# KiCad board 32X_VA2.kicad_pcb (continued)
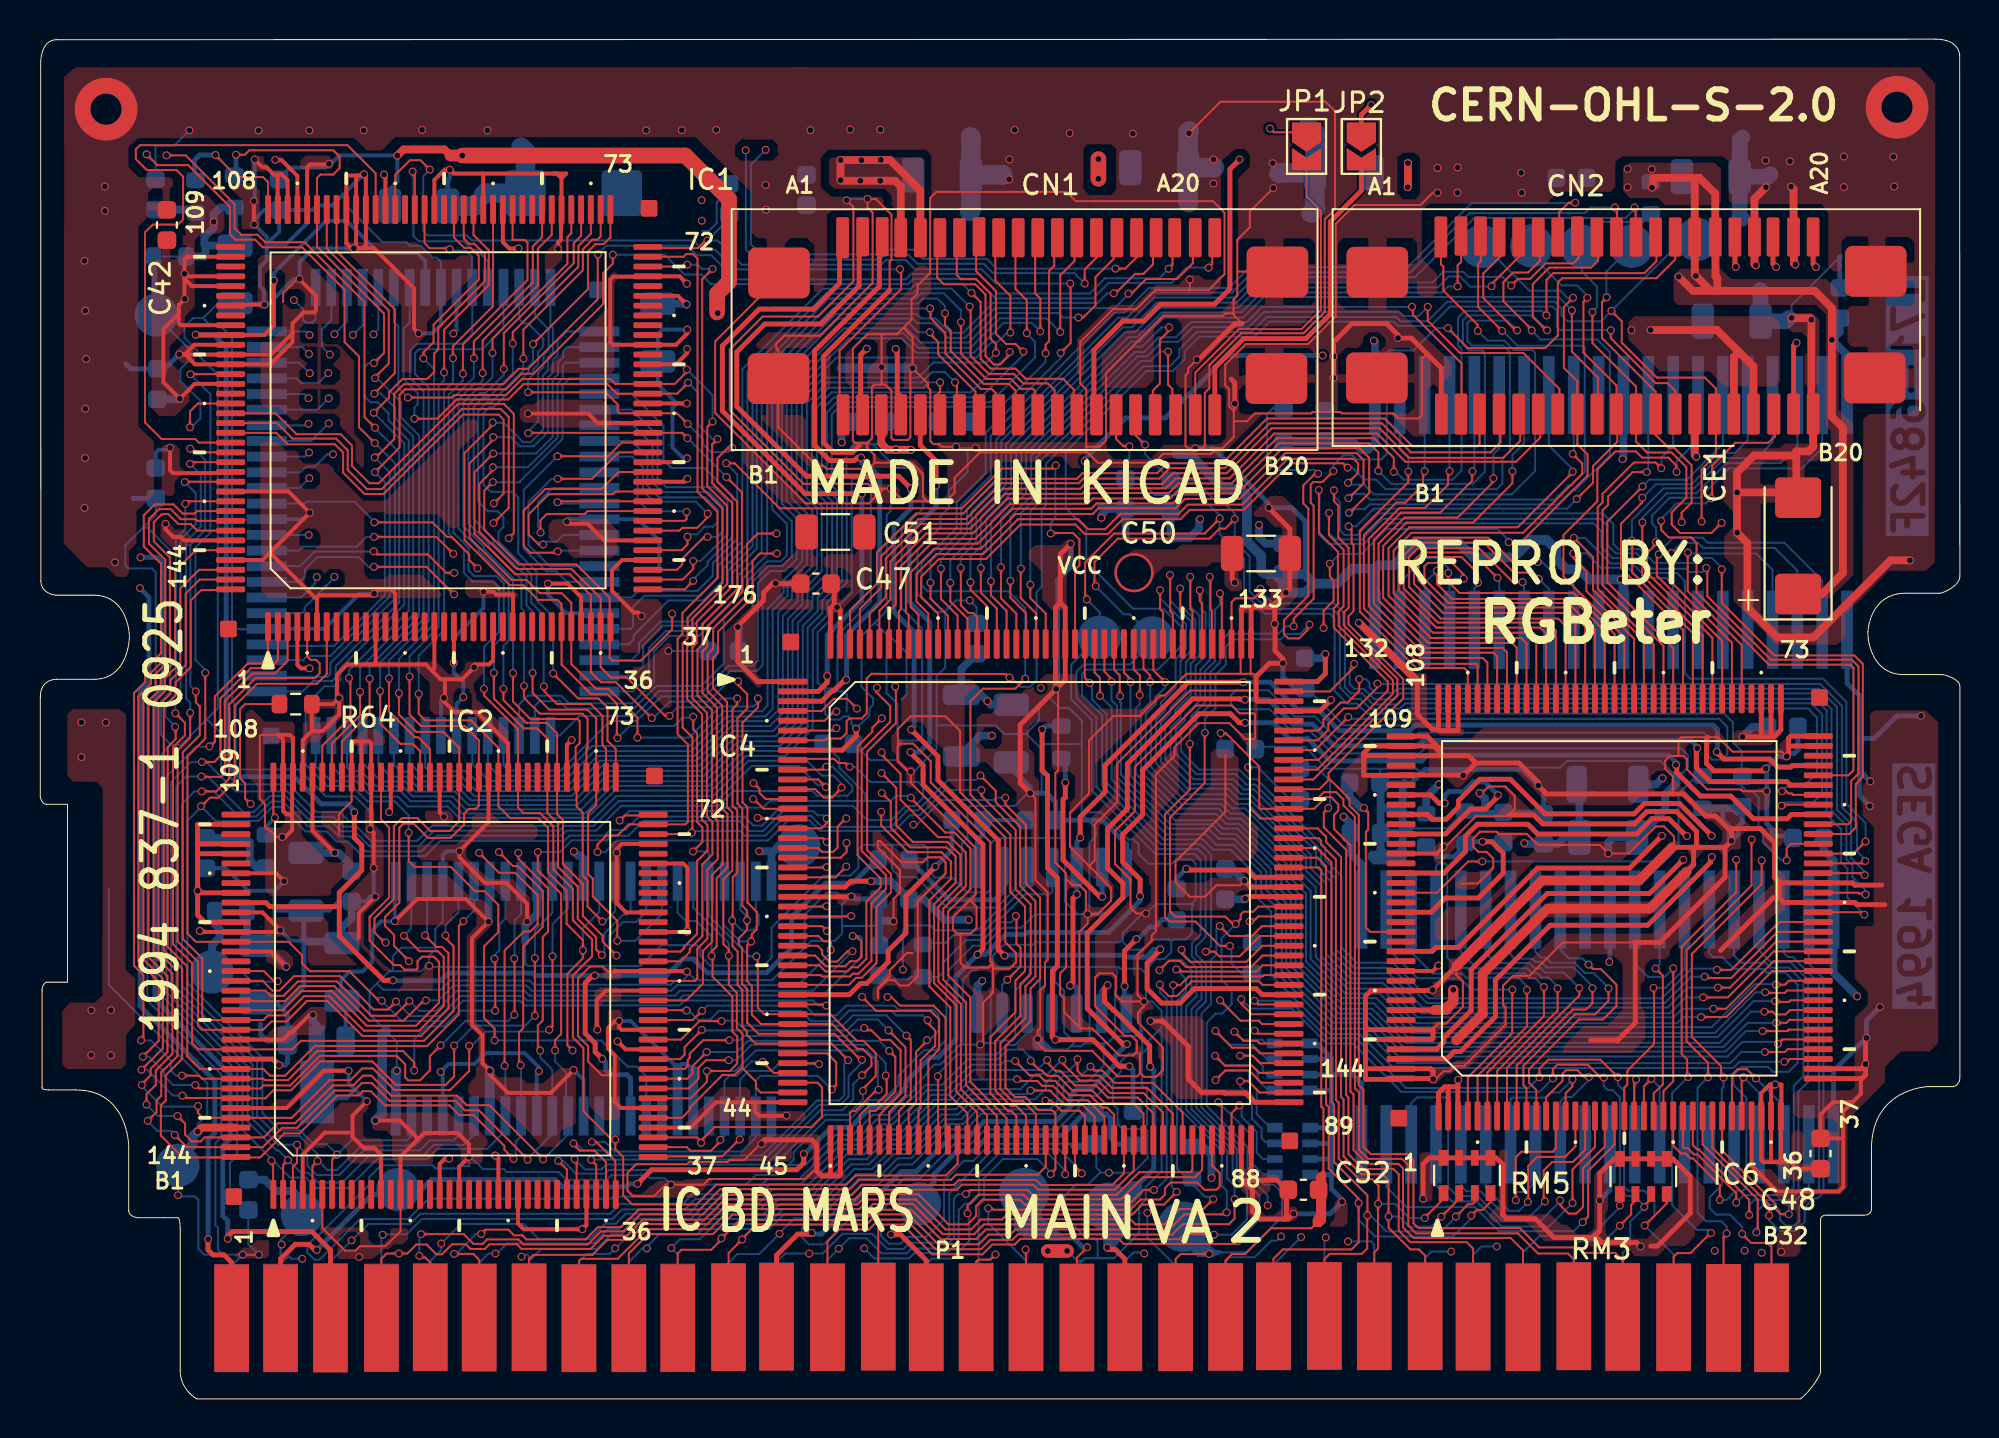
[diagram p0: board, top side]
## Routing (per net, layer and track width the routed paths; a pad name or vN(x,y) marks a point on that pad's centre or on a via; arc(x,y) is an arc through that point) (continued)
  Top w0.25: 40.51,11.4 39.99,11.4 39.74,11.65 39.74,12.99 39.49,13.24 37.07,13.24 36.92,13.09 v1(36.92,13.03) ; 40.51,11.4 40.45,11.47 IC4.45 ; 40.51,11.4 40.88,11.4 40.95,11.47 40.95,13.23 IC4.46 ; IC6.71 89.43,33.37 89.41,33.35 ; 71.61,33.03 71.27,33.37 IC6.110 68.06,33.37 67.7,33.01 67.7,32.86 ; 71.61,33.03 71.61,33.21 70.95,33.87 IC6.109 ; 71.61,33.03 71.77,32.87 ; 67.79,18.89 67.81,18.87 IC6.139 69.62,18.86 71.24,18.86 71.24,18.43 71.18,18.37 IC6.140 67.79,18.37 67.79,18.37 ; 67.79,18.89 67.79,20.59 68.07,20.87 IC6.135 71.19,20.87 v1(71.22,20.9) 72.43,22.11 ; 67.79,18.89 67.79,18.37 ; 61.53,11.18 61.45,11.27 IC4.87 ; 61.53,11.18 62.02,10.69 62.02,9.57 62.4,9.19 63.63,9.19 ; 61.53,11.18 61.99,11.18 ; v1(93.35,17.11) 93.35,18.4 v1(93.39,18.45) ; v1(93.35,17.11) 93.11,16.87 IC6.38 ; v1(93.35,17.11) 93.35,16.56 93.16,16.37 IC6.37 ; 79.52,8.35 79.42,8.25 77.42,8.25 76.46,9.21 75,9.21 74.8,9.41 74.81,9.42 74.81,11.98 74.47,12.32 RM5.8 71.05,12.32 70.73,12 v1(70.73,10.23) ; 79.52,8.35 79.76,8.59 v1(79.76,10.14) 79.76,11.53 80.5,12.27 RM3.5 83.5,12.27 84.39,11.38 84.39,9.49 82.71,7.81 82.37,7.81 ; 79.52,8.35 79.88,7.99 81.65,7.99 v1(81.85,7.79) ; v1(51.98,36.29) 51.95,36.33 IC4.153 51.95,40.45 52.19,40.69 ; v1(51.98,36.29) 50.14,34.45 50.14,31.47 v1(50.65,30.96) ; v1(51.98,36.29) 52.45,36.75 IC4.152 52.45,40.44 52.19,40.69 ; IC4.130 62.25,35.66 62.2,35.71 62.2,36.92 62.88,37.6 v1(63.57,37.6) 63.57,37.83 63.17,38.23 63.17,39.59 v1(63.15,39.61) 63.15,40.47 ; 85.28,33.82 85.22,33.76 85.22,32.47 85.59,32.1 88.13,32.1 v1(88.25,32.22) ; 73.43,32.5 v1(72.79,31.86) 72.76,31.89 69.63,31.89 IC6.113 69.61,31.87 67.7,31.87 67.7,32.86 ; 73.43,32.5 75.64,32.5 76.62,31.52 v1(76.62,31.35) 77.05,30.92 84.05,30.92 85.18,29.79 85.68,29.79 86.32,29.15 ; 73.43,32.5 73.06,32.87 71.77,32.87 ; 89.41,33.35 89.41,32.93 v1(89.32,32.84) ; 89.41,33.35 89.41,33.76 89.52,33.87 IC6.72 ; 84.4,28.19 83.56,28.19 ; 84.4,28.19 84.7,28.19 ; 84.4,28.19 84.56,28.03 84.56,27.3 84.21,26.95 ; v1(41.76,34.26) 41.76,33.87 41.05,33.16 IC4.8 ; IC4.111 61.92,26.16 v1(61.6,26.48) ; 84.7,28.19 84.71,28.2 84.71,29 83.7,30.02 82.17,30.02 81.54,29.39 76.85,29.39 76.39,29.85 75.12,29.85 ; 84.7,28.19 86.17,28.19 ; 85.94,22.92 88.63,25.61 88.93,25.61 ; IC4.175 40.95,40.3 40.64,40.6 ; 40.64,40.6 40.45,40.41 IC4.176 ; 40.64,40.6 40.64,41.5 C47.2 ; 61.99,11.18 63.26,11.18 63.75,10.69 C52.2 63.75,10.59 63.75,9.31 63.63,9.19 ; 61.99,11.18 61.95,11.22 61.95,13.23 IC4.88 ; 67.79,18.37 67.79,16.89 ; 67.79,16.89 67.81,16.87 IC6.143 71.12,16.87 71.25,16.74 v1(71.25,16.34) 71.22,16.37 IC6.144 69.57,16.33 67.81,16.33 67.79,16.35 67.79,16.89 ; 94.34,25.26 92.92,25.26 92.81,25.37 IC6.55 89.17,25.37 88.93,25.61 ; v1(41.51,25.68) 41.49,25.66 IC4.23 ; 52.19,40.69 52.19,43.17 v1(52.73,43.71) ; 79.3,18.33 80.68,18.33 81.58,19.23 81.58,23.33 82.84,23.33 86.17,26.66 86.17,28.19 ; 88.98,26.37 88.7,26.66 88.7,28.42 87.97,29.15 86.32,29.15 ; 88.98,26.37 IC6.57 92.69,26.37 92.8,26.26 94.17,26.26 ; 88.98,26.37 88.93,26.32 88.93,25.61 ; v1(64.12,9.46) 63.85,9.19 63.63,9.19 ; 71.77,32.87 IC6.111 67.71,32.87 67.7,32.86 ; v1(61.11,50.87) 61.11,51.94 60.93,52.12 ; 63.15,40.47 63.15,40.64 v1(63.72,41.21) 63.92,41.42 C50.2 63.92,44.47 v1(62.84,45.55) ; 63.15,40.47 62.04,40.47 ; 43.47,56.67 40.09,53.29 40.09,48.88 40.59,48.38 41.58,48.38 41.91,48.7 ; 86.32,29.15 86.5,28.97 v1(86.5,28.52) 86.17,28.19 ; v1(66.16,52.18) v1(66.16,53.29) 66.16,54.02 67.1,54.96 68.87,54.96 69.45,54.38 v1(69.45,54.22) 70.13,54.22 71.67,52.68 CN2.B1 ; 61.49,54.96 61.11,54.96 59.27,53.12 v1(59.17,53.12) ; 62.04,40.47 61.95,40.38 IC4.133 ; 62.04,40.47 61.59,40.47 61.45,40.33 IC4.134 ; v1(12.26,17.06) 11.95,17.37 IC2.134
  Top w0.4: v1(95.62,42.86) 94.62,42.86 90.68,38.92 88.84,38.92 87.31,40.45 87.31,43.75 v1(86.78,44.28) v1(86.78,46.33) ; v1(84.7,48.16) 84.62,48.24 CN2.B14 ; v1(87.74,57.94) 87.67,58.01 CN2.A17 87.67,61.34 v1(88.26,61.93) ; v1(86.78,46.33) 86.78,47.35 87.65,48.22 89.81,48.22 ; v1(86.78,46.33) 89.63,46.33 CE1.2 89.81,46.15 89.81,48.22 ; v1(89.54,61.96) 89.67,61.83 CN2.A19 89.69,59.37 89.69,58.05 v1(89.76,57.98) ; v1(8.1,13.66) 8.31,13.87 IC2.141 ; 89.81,48.22 89.81,48.43 90.44,48.43 90.67,48.66 CN2.B20 90.58,50.42 v1(90.58,55.16) 90.5,55.24 89.58,55.24 v1(89.57,55.25)
  Top w0.5: 83.46,28.19 81.77,26.5 76.82,26.5 72.43,22.11 ; 84.21,26.95 82.32,25.06 77.1,25.06 73.78,21.74 73.78,19.68 72.43,18.33
  Top w0.7: v1(52.54,7.56) v1(51.55,7.56)
  In1.Cu w0.1: v1(29.52,27.92) 29.95,27.49 34.78,27.49 35.85,28.56 37.26,28.56 39.06,26.76 40.47,26.76 40.72,27.01 40.72,27.37 41.03,27.68 41.6,27.68 41.89,27.39 41.89,26.88 41.51,26.5 v1(41.51,25.68)
  In2.Cu w0.1: 17.5,40.17 12.23,40.17 8.97,43.43 4.55,43.43 v1(3.88,42.76) 3.88,41.88 4.83,40.93 5.33,40.93 5.6,41.2 8.4,41.2 11.14,38.47 31.59,38.47 31.83,38.23 v1(32.17,38.23) 32.53,38.23 33.99,39.7 35.2,39.7 37.23,41.73 37.23,46.26 42.58,51.61 42.58,52.25 v1(43.06,52.73) ; 17.5,40.17 17.12,40.56 v1(17.12,41.15) ; 17.5,40.17 23.36,40.17 ; v1(22.71,41.26) 22.71,40.82 23.36,40.17 ; 23.36,40.17 28.3,40.17 29.32,41.19 34.27,41.19 35.78,42.69 35.78,46.96 40.84,52.02 40.84,54.2 41.79,55.15 43.02,55.15 44.26,53.91 44.26,53.06 v1(44.64,52.68)
  In2.Cu w0.2: v1(27.76,8.67) 24.68,8.67 21.97,11.38 v1(21.97,12.37) ; v1(22.71,41.26) 23.12,41.67 v1(26,41.67) 26.92,41.67 27.59,42.34 27.59,43.75 26.97,44.37 v1(26.97,44.83) ; 33.62,40.42 33.45,40.59 29.73,40.59 28.71,39.56
  In2.Cu w0.25: 83.5,28.84 83.5,28.69 83.94,28.25 ; 83.5,28.84 83.5,28.93 82.26,30.17 82.26,36.85 ; 83.5,28.84 83.87,29.21 83.87,30.97 83.62,31.22 82.77,31.22 82.38,31.61 82.38,32.5 ; 84.81,28.25 83.94,28.25 ; 84.81,28.25 85.83,28.25 86.1,28.52 ; 84.81,28.25 84.81,31.24 84,32.05 ; 83.94,28.25 82.65,28.25 81.38,29.52 81.38,38.25 79.13,40.5 79.13,49.41 83.15,53.43 83.15,55.57 81.86,56.86 81.86,58.7 83.62,60.46 88.88,60.46 91.33,58.01 91.33,57.62 90.99,57.28 90.46,57.28 v1(89.76,57.98) ; 89.13,54.81 v1(89.57,55.25) ; 89.13,54.81 89.13,41.14 84.16,36.17 84.16,33.1 86.01,31.25 86.01,28.61 86.1,28.52 ; 89.13,54.81 89.13,56.06 87.74,57.45 v1(87.74,57.94) 87.3,58.38 86.42,58.38 86.16,58.12 86.16,57.7 88.23,55.63 88.23,41.55 83.19,36.51 83.19,32.92 ; v1(86.5,28.52) 86.1,28.52 ; 82.26,36.85 87.45,42.04 87.45,55.15 85.23,57.37 85.23,58.51 86.26,59.54 ; 82.26,36.85 82.26,38.63 80.16,40.73 80.16,42.56
  In2.Cu w0.4: v1(89.76,57.98) 89.66,57.98 88.1,59.54 84.25,59.54 83.05,58.34 83.05,57.18 84.12,56.11 84.12,53.05 80.16,49.09 80.16,42.56 v1(80.84,41.88) ; v1(44.64,52.68) 44.59,52.73 v1(43.06,52.73) 43.06,53.87 42.69,54.24 42.05,54.24 41.71,53.9 41.71,51.84 36.5,46.63 36.5,42.23 34.69,40.42 33.62,40.42 32.53,39.33 11.71,39.33 8.74,42.3 4.34,42.3 v1(3.88,42.76)
  Bottom w0.1: 41.04,24.59 39.17,24.59 39.13,24.55 ; 41.04,24.59 41.04,24.17 ; 41.04,24.59 41.04,25.28 41.2,25.44 ; 39.13,23.06 37.46,21.4 33.55,21.4 v1(33.11,21.84) 33.23,21.72 32.88,21.37 32.49,21.37 32.29,21.17 25.28,21.17 25.07,21.38 21.01,21.38 20.54,20.91 17.59,20.91 17.27,21.23 ; 39.13,23.06 39.13,24.55 ; 39.13,23.06 39.47,23.41 40.67,23.41 41.04,23.78 41.04,24.17 ; 49.89,28.66 49.89,26.06 48.94,25.11 46.39,25.11 44.83,26.67 43.99,26.67 43.59,27.07 43.59,28.3 43.57,28.32 ; 49.89,28.66 52.21,28.66 ; 49.89,28.66 48.92,28.66 48.6,28.34 48.6,26.01 48.48,25.89 47.43,25.89 ; 41.2,25.44 40.77,25.87 40.24,25.87 39.13,24.75 39.13,24.55 ; 41.2,25.44 41.44,25.68 v1(41.51,25.68) ; 53.35,29.84 53.61,29.58 ; 53.35,29.84 54.01,29.18 54.01,28.75 53.68,28.42 53.68,24.87 v1(53.59,24.78) 53.11,24.78 53.09,24.76 ; 53.35,29.84 53.29,29.9 53.29,29.98 ; 51.19,33.26 51.24,33.21 51.24,31 51.2,30.96 ; 51.19,33.26 51.4,33.47 53.29,33.47 ; 51.19,33.26 50.47,33.98 50.42,33.98 ; 42.6,48.8 42.88,48.8 43.3,49.23 43.3,49.95 ; 42.6,48.8 43.53,47.87 43.53,47.58 ; 42.6,48.8 41.71,48.8 41.26,48.35 41.26,47.3 41.53,47.03 ; v1(41.76,34.26) 41.51,34.51 41.51,34.73 41.36,34.88 41.1,34.88 40.94,34.72 40.48,34.72 40.17,35.03 40.17,36.25 40.1,36.32 ; v1(41.76,34.26) 42.44,34.94 42.44,35.29 42.62,35.47 42.62,35.84 42.59,35.84 42.03,36.4 42.03,38.99 42.71,39.67 ; v1(41.76,34.26) 41.68,34.19 41.68,33.44 42.48,32.65 43.9,32.65 ; C35.2 64.8,36.31 66.68,34.43 69.85,34.43 70.18,34.76 85.87,34.76 86.28,34.35 86.28,32.95 86,32.67 85.5,32.67 85.31,32.86 85.31,33.81 85.07,34.05 70.52,34.05 70.21,33.74 66.34,33.74 65.2,34.88 64.17,34.88 62.83,36.22 61.18,36.22 60.91,35.95 60.91,35.52 61.18,35.25 62.89,35.25 64.02,34.12 64.97,34.12 66.1,32.99 70.56,32.99 70.82,33.25 83.92,33.25 84.27,32.9 84.27,32.27 84,32 83.49,32 82.88,32.61 78.09,32.61 77.74,32.26 75.89,32.26 75.8,32.17 ; v1(19.94,22.13) 19.92,22.15 19.92,22.64 20.25,22.97 20.25,23.06 ; v1(19.94,22.13) 19.93,22.14 19.81,22.14 19.53,21.86 18.08,21.86 ; v1(19.94,22.13) 19.99,22.08 24.68,22.08 24.84,22.24 24.84,22.48 ; 47.46,48.6 46.94,48.6 v1(46.87,48.67) ; 47.46,48.6 v1(47.87,48.6) ; 47.46,48.6 47.46,47.38 46.5,46.42 46.5,45.55 46.07,45.12 46.07,44.55 44.89,43.37 44.89,41.15 45.82,40.22 46.31,40.22 ; 15.77,61.78 15.77,60.92 17.56,59.12 18.77,59.12 18.95,58.94 19.51,58.94 20.12,58.33 20.32,58.33 20.53,58.12 IC5.33 ; 53.29,33.47 53.29,34.66 52.63,35.32 52.16,35.32 51.58,35.89 ; 53.29,33.47 53.29,29.98 ; 53.09,24.76 52.43,25.42 52.43,28.44 52.21,28.66 ; 53.09,24.76 50.89,24.76 50.21,24.08 49.24,24.08 48.32,23.16 47.73,23.16 46.48,21.91 46.48,21.42 46.37,21.31 46.37,18.37 45.82,17.82 45.22,17.82 43.92,16.52 43.92,16.05 43.14,15.27 42.42,15.27 41.41,14.26 40.21,14.26 38.56,12.61 38.56,12.23 38.04,11.71 ; 8.38,55.24 8.7,54.92 9.19,54.92 9.86,54.25 9.86,44.93 ; 8.38,55.24 7.87,55.24 7.43,54.8 7.43,54.24 8.08,53.59 8.08,53.4 9.13,52.35 9.13,35.3 8.57,34.74 ; 8.38,55.24 9.14,56 C34.2 ; 54.22,11.56 53.62,10.96 53,10.96 52.43,10.39 52.43,9.31 53.55,8.19 53.96,8.19 54.1,8.05 54.1,7.19 ; 54.22,11.56 v1(54.68,11.56) 55.91,11.56 56.65,12.3 56.65,13.69 56.46,13.88 ; 54.22,11.56 54.22,11.64 54.03,11.83 54.03,12.95 C4.2 53.41,13.03 53.29,12.92 52.81,12.92 52.69,13.04 48.62,13.04 47.74,12.16 47.26,12.16 46.25,11.15 46.25,9.18 45.35,8.28 44.39,8.28 44.04,7.93 43.43,7.93 43.03,8.33 43.03,8.81 42.52,9.32 ; 46.31,40.22 46.31,37.38 45.87,36.94 45.87,34.42 ; 46.31,40.22 46.31,40.27 46.85,40.81 v1(47.57,40.81) 47.91,40.47 C7.2 ; 41.04,24.17 42.64,24.17 42.91,24.43 ; 52.21,28.66 52.21,29.33 C5.2 ; 8.57,34.74 7.26,33.43 6.74,33.43 ; 8.57,34.74 9.29,34.02 9.29,32.25 10.13,31.41 12.75,31.41 14.16,30 15.35,30 15.83,29.52 16.99,29.52 17.04,29.47 ; 42.71,39.67 43.31,39.08 ; 42.71,39.67 43.32,40.28 43.32,45.18 43.53,45.39 v1(43.53,46.53) 43.53,47.58 ; 43.31,39.08 43.31,36.08 43.87,35.52 43.87,33.92 ; 43.31,39.08 43.39,39.08 44.33,38.14 44.33,36 44.07,35.74 ; v1(32.17,38.23) 32.18,38.22 C22.2 ; 53.41,18.17 54.41,18.17 ; 53.41,18.17 53.27,18.03 52.73,18.03 ; 53.41,18.17 53.69,18.45 53.69,22.08 ; 54.41,18.17 54.6,18.17 54.93,18.5 ; 54.41,18.17 54.41,17.03 53.6,16.22 52.54,16.22 52.35,16.03 52.35,15.08 51.84,14.57 48.15,14.57 47.35,13.77 46.42,13.77 44.63,11.98 43.92,11.98 42.9,10.96 42.04,10.96 40,8.92 39.18,8.92 38.99,8.73 38.99,8.25 39.34,7.9 40.12,7.9 41.54,9.32 42.52,9.32 ; 47.21,18.11 47.08,18.11 46.06,17.09 45.76,17.09 45.38,16.71 45.38,16.61 44.73,15.96 44.73,15.81 43.44,14.52 42.62,14.52 41.6,13.5 40.71,13.5 39.16,11.95 38.28,11.95 38.04,11.71 ; 47.21,18.11 47.21,21.42 47.69,21.9 47.89,21.9 48.06,22.07 48.8,22.07 ; 47.21,18.11 v1(48.1,18.11) 48.25,18.11 48.32,18.18 48.63,18.18 ; 43.9,32.65 43.9,33.5 44.05,33.65 44.89,33.65 45.13,33.89 45.13,39.37 44.08,40.42 44.08,44.41 45.19,45.52 45.19,47.17 44.78,47.58 43.53,47.58 ; 43.9,32.65 43.9,32.55 44.39,32.06 v1(44.55,32.06) 44.71,32.06 45.87,33.22 45.87,34.42 ; 40.1,36.32 40.6,36.32 40.8,36.52 40.8,39.04 42.51,40.75 42.51,46.86 42.34,47.03 41.53,47.03 ; 40.1,36.32 39.79,36.63 39.79,39.18 40.55,39.94 40.55,40.22 ; 40.1,36.32 40.25,36.17 41.12,36.17 41.28,36.01 41.28,35.14 ; 7.1,12.25 v1(7.1,10.41) 7.16,10.35 7.96,10.35 8.14,10.17 8.14,7.67 8.44,7.37 9.4,7.37 ; 20.25,23.06 18.5,23.06 18.08,22.64 18.08,21.86 ; 20.25,23.06 20.25,24.02 20.63,24.4 IC3.4 ; 50.63,22.08 48.88,22.08 48.75,22.21 48.75,22.66 49.3,23.21 50.77,23.21 50.9,23.34 55.23,23.34 55.38,23.49 ; 50.63,22.08 50.63,21.6 49.89,20.86 49.89,18.46 49.74,18.31 48.96,18.31 48.83,18.18 48.63,18.18 ; 50.63,22.08 51.2,22.08 ; 9.86,39.34 9.86,35.66 10.05,35.47 10.05,32.4 10.28,32.17 13.28,32.17 14.66,30.79 16.15,30.79 16.94,30 17.04,30 17.04,29.47 ; 9.86,39.34 11.61,39.34 IC5.5 ; 9.86,39.34 9.86,44.93 ; 50.42,33.98 51.11,34.67 51.11,35.42 51.58,35.89 ; 50.42,33.98 49.33,33.98 48.89,34.42 45.87,34.42 ; 17.04,29.47 17.04,29.26 v1(16.91,29.13) ; 57.86,23.37 57.97,23.48 58.61,23.48 58.92,23.79 58.92,25.18 59.02,25.28 ; 57.86,23.37 57.86,22.84 57.5,22.48 57.09,22.48 56.57,21.96 56.57,21.73 ; 57.86,23.37 57.75,23.48 56.94,23.48 56.42,22.96 55.78,22.96 55.38,23.36 55.38,23.49 ; 43.57,28.32 42.1,28.32 41.87,28.09 41.87,27.15 41.46,26.74 40.08,26.74 37.44,24.1 37.44,22.55 37.03,22.14 34.3,22.14 33.8,22.64 33.8,22.99 33.6,23.19 31.8,23.19 30.74,22.13 24.97,22.13 24.84,22.26 24.84,22.48 ; 43.57,28.32 45.23,28.32 45.41,28.14 45.41,27.03 45.8,26.64 46.68,26.64 47.43,25.89 ; 35.27,62.12 35.27,61.79 34.63,61.15 34.63,60.1 34.22,59.69 33.88,59.69 ; 51.93,22.08 51.93,21.31 52.39,20.85 52.39,18.75 52.9,18.24 52.9,18.2 52.73,18.03 ; 51.93,22.08 53.69,22.08 ; 51.93,22.08 51.2,22.08 ; 48.83,22 48.75,21.92 48.75,20.92 48.63,20.8 48.63,18.18 ; 24.84,22.48 24.84,24.3 v1(24.94,24.4) ; 55.11,22.08 55.07,22.04 55.07,20.9 54.99,20.82 54.99,18.56 54.93,18.5 ; 55.11,22.08 53.69,22.08 ; 55.11,22.08 55.16,22.08 55.25,21.99 56.31,21.99 56.57,21.73 ; 53.29,29.98 54.28,29.98 55.67,28.59 55.95,28.59 56.19,28.35 56.19,27.86 56.7,27.35 57.9,27.35 58.12,27.57 58.9,27.57 59.11,27.36 59.11,25.51 58.89,25.29 57.05,25.29 v1(56.57,24.81) 56.39,24.81 55.38,23.8 55.38,23.49 ; P1.a18 53.04,6.79 53.3,7.05 ; 18.08,21.86 17.89,21.86 17.27,21.23 ; 54.1,7.19 54.93,7.19 56.22,8.48 56.22,9.85 56.56,10.19 56.56,10.83 57.37,11.64 57.37,18.75 57.26,18.87 ; 54.1,7.19 53.44,7.19 53.3,7.05 ; v1(52.54,7.56) 52.55,7.55 52.57,7.55 53.07,7.05 53.3,7.05 ; 41.53,47.03 41.53,41.21 v1(40.78,40.46) ; v1(41.27,61.26) 41.34,61.33 v1(42.34,61.33) ; 42.52,9.32 42.74,9.32 43.53,10.11 43.53,10.59 44.21,11.27 45.02,11.27 46.79,13.04 47.63,13.04 48.36,13.77 52.05,13.77 53.12,14.84 53.12,15.17 53.43,15.48 54.04,15.48 54.88,16.32 ; 38.04,11.71 37.78,11.45 36.63,11.45 36.13,10.95 v1(32.3,10.95) ; 6.74,33.43 6.27,32.96 6.27,20.6 10.12,16.75 10.12,12.43 9.75,12.06 9.75,10.61 C1.2 10.69,9.64 10.69,7.91 v1(11.23,7.37) ; 6.74,33.43 6.23,33.94 6.23,35.67 6.7,36.14 6.7,43.37 5.54,44.53 5.31,44.53 ; 3.56,26.06 3.56,21.16 8.59,16.13 8.59,14.54 8.1,14.05 v1(8.1,13.66) ; v1(21.97,12.37) 21.98,12.36 21.98,11.9 21.52,11.9 21.4,11.78 20.27,11.78 20.11,11.94 17.48,11.94 16.86,11.32 16.86,10.94 14.29,8.37 14.22,8.37 13.71,7.86 13.71,7.48 14.08,7.11 14.32,7.11 16.4,9.19 18.86,9.19 19.9,10.23 29.25,10.23 29.36,10.34 31.69,10.34 v1(32.3,10.95) ; v1(56.47,20.31) 56.57,20.41 56.57,21.73 ; v1(56.47,20.31) 56.47,20.1 56.28,19.91 56.28,18.76 56.05,18.53 54.96,18.53 54.93,18.5 ; v1(56.47,20.31) 56.9,20.31 57.37,19.84 57.37,18.98 57.26,18.87 ; C11.2 5.95,64.05 5.96,64.06 6.9,64.06 v1(7.68,64.84) ; 9.4,7.37 v1(10.41,7.37) 9.84,6.8 P1.a1 ; 9.4,7.37 9.14,7.63 9.14,8.75 9.01,8.88 9.01,13.08 9.3,13.37 9.3,16.6 5.53,20.37 5.53,35.97 5.96,36.4 5.96,42.24 5.75,42.45 4.56,42.45 4.4,42.61 4.4,43.62 5.31,44.53 ; v1(89.57,55.25) 89.57,55.9 91.87,58.2 92.03,58.2 ; v1(50.65,30.96) 50.52,30.96 49.87,30.31 47.6,30.31 47.45,30.16 47.45,28.68 47.16,28.39 47.16,26.16 47.43,25.89 ; 57.26,18.87 56.64,18.25 56.64,17.91 56.36,17.63 56.36,16.05 56.62,15.79 56.62,14.03 56.46,13.88 ; 69.68,31.49 69.73,31.44 69.73,29.38 69.95,29.16 71.97,29.16 72.86,30.05 R8.1 ; 9.86,44.93 11.61,44.93 IC5.12 ; C10.2 5.96,45.18 5.31,44.53 ; 70.63,31.97 70.39,32.21 68.55,32.21 ; v1(32.3,10.95) 31.97,11.28 31.21,11.28 31.06,11.43 29.24,11.43 29.01,11.2 26.95,11.2 26.56,11.59 23.91,11.59 23.76,11.74 22.69,11.74 22.14,12.29 ; 51.58,35.89 v1(51.98,36.29) ; 17.27,21.23 16.89,20.86 16.89,19.65 18.28,18.26 v1(18.28,16.77) ; 56.46,13.88 56.38,13.79 55.37,13.79 55.12,14.04 55.12,14.82 54.88,15.06 54.88,16.32 ; 68.52,31.49 68.52,32.19 68.55,32.21 ; 51.2,22.08 51.15,22.03 51.15,18.51 v1(51.03,18.39) 51.56,17.86 52.56,17.86 52.73,18.03 ; 54.88,16.32 55.29,16.73 55.29,17.25 55.69,17.65 56.26,17.65 56.38,17.77 56.38,18.87 ; 68.55,32.21 65.81,32.21 64.69,33.33 62.24,33.33 62.11,33.19
  Bottom w0.2: IC5.12 13.5,44.96 v1(13.83,45.29) ; 32.59,50.88 32.37,50.66 32.37,48.63 32.92,48.08 v1(33.12,48.08) ; 32.59,50.88 31.62,51.85 C8.2 31.62,54.44 31.84,54.66 v1(33.13,54.66) ; 32.59,50.88 v1(33.11,50.88) ; v1(12.52,26.46) 12.03,25.97 ; 12.03,25.97 10.69,25.97 9.53,27.12 C14.2 ; 12.03,25.97 12.03,25 ; v1(16.09,58.81) 14.01,58.81 13.31,58.11 v1(13.31,57.24) 13.01,57.24 11.7,55.93 v1(11.51,55.93) ; IC3.47 20.63,16.6 v1(20.52,16.71) 20.93,17.12 22.26,17.12 22.81,17.67 24.82,17.67 25.55,16.94 v1(25.55,16.75) 25.43,16.63 IC3.41 ; v1(26.97,44.83) 27.05,44.91 27.05,44.99 28.61,44.99 IC5.53 30.61,44.96 31.69,43.88 31.69,42.54 ; 12.03,25 12.08,24.95 C15.2 14.81,24.95 15.28,25.42 C16.2 16.67,25.42 16.94,25.69 17.16,25.69 v1(17.18,25.67) 17.1,25.75 v1(17.1,27.14) ; 12.03,25 12.03,24.26 v1(12.33,23.96) 12.87,23.42 13.53,23.42 ; IC5.33 20.53,54.89 20.1,54.46 v1(19.4,54.46) ; IC3.4 20.63,27.78 20.84,27.99 v1(21.48,27.99) ; 10.99,60.26 11.5,60.77 C13.2 ; 10.99,60.26 10.99,61.2 v1(10.97,61.22) 11.02,61.27 v1(11.02,63.35) ; 10.99,60.26 v1(10.99,60.03) 11.63,59.39 11.63,59.02 ; v1(11.51,55.93) 11.45,56 C34.2 ; v1(11.51,55.93) 11.49,55.95 11.49,56.67 11.28,56.88 11.28,57.84 11.63,58.19 11.63,59.02 ; 25.45,26.44 IC3.10 ; 11.63,59.02 12.63,59.02 13.74,60.13 13.74,60.77 ; 11.63,59.02 12.27,59.66 C13.2 ; 13.74,60.77 13.98,60.77 14.21,61 14.98,61 16.58,62.6 v1(16.61,62.6) ; 13.74,60.77 C13.2 ; v1(17.12,41.15) 16.37,41.15 14.58,39.36 IC5.5 ; v1(26,41.67) 26,41.1 26.94,40.16 IC5.59 ; 18.27,16.76 v1(18.28,16.77) ; 20.89,62.31 20.99,62.41 v1(20.99,62.83) ; v1(22.71,41.26) 22.71,40.41 21.19,38.89 v1(21.19,37.62) 21.19,37.13 21.68,36.64 v1(21.68,35.87) 21.34,35.53 IC5.71 ; 33.43,16.8 33.11,17.12 32.83,17.12 32.63,16.92 30.24,19.31 v1(29.64,19.31) ; v1(24.94,24.4) 25.07,24.4
  Bottom w0.25: C6.2 49.69,32.21 50.65,31.25 v1(50.65,30.96) 51.5,30.96 51.95,30.5 C5.2 54.34,29.58 55.58,28.34 55.58,25.8 54.57,24.78 v1(53.59,24.78) ; C35.2 64.18,36.31 63.57,36.92 v1(63.57,37.6) ; 93.04,32.11 v1(93.59,31.56) ; 93.04,32.11 93.04,30.83 v1(93.57,30.3) ; 93.04,32.11 93.04,33.76 ; C15.2 13.53,24.84 13.53,21.1 12.39,19.96 ; v1(94.09,20.03) 93.39,19.33 v1(93.39,18.45) 91.71,16.77 IC7.21 ; 66.05,11.56 66.05,10.74 66.59,10.2 v1(66.59,10.07) 65.98,9.46 v1(64.12,9.46) ; 66.05,11.56 65.95,11.46 RM4.8 ; 66.05,11.56 66.05,12.29 ; IC7.30 80.29,10.67 v1(79.76,10.14) ; v1(51.98,36.29) 52.06,36.37 52.06,41.86 52.73,42.53 v1(52.73,43.71) ; 66.05,13.84 66.05,15.78 ; 66.05,13.84 66.05,13.05 ; 66.05,13.84 66.03,13.86 RM4.5 ; 66.05,15.78 66.05,16.67 ; 66.05,15.78 66.04,15.77 RM6.8 ; 66.05,16.67 66.05,17.42 ; 66.05,16.67 65.95,16.57 ; 66.05,17.42 65.3,18.17 RM6.5 ; 66.05,17.42 66,17.37 RM6.6 ; 12.39,19.96 12.14,20.2 11.14,20.2 ; 12.39,19.96 12.69,19.66 IC10.1 ; 65.95,16.57 67.14,16.57 67.58,16.12 IC7.40 ; 65.95,16.57 RM6.7 ; v1(59.09,48.58) 60.02,48.58 62.84,45.76 v1(62.84,45.55) 64.02,45.55 64.71,44.86 64.71,42.16 ; C12.2 20.89,62.31 20.94,62.36 ; 66.05,13.05 66.04,13.06 RM4.6 ; 66.05,13.05 66.05,12.29 ; IC10.1 11.6,18.34 11.32,18.62 11.32,19.16 ; IC10.1 12.69,17.18 12.57,17.06 v1(12.26,17.06) ; 72.22,32.17 72.53,31.86 v1(72.79,31.86) ; 72.22,32.17 75.8,32.17 v1(76.62,31.35) 76.9,31.07 C31.2 ; 72.22,32.17 70.83,32.17 70.15,31.49 68.52,31.49 ; 93.04,33.76 93.79,33.76 94.94,34.91 v1(96.18,34.91) ; 93.04,33.76 93.04,35.94 92.41,36.58 IC8.21 ; 4.43,52.91 4.7,52.64 6.42,52.64 v1(7.16,53.39) ; v1(36.92,13.03) 37.05,13.16 37.09,13.16 37.43,13.5 IC3.26 ; 61.11,50.6 v1(61.11,50.87) ; 92.07,58.39 92.03,58.35 92.03,56.78 93.38,56.78 93.52,56.93 ; 4.81,46.03 4.81,46.03 C10.2 ; 66.05,12.29 66.02,12.26 RM4.7 ; C41.2 89.55,28.77 88.57,28.77 88.57,29.13 88.3,29.4 v1(88.3,31.06) 88.3,32.17 v1(88.25,32.22) 88.87,32.84 v1(89.32,32.84) 89.47,32.99 89.71,32.99 89.92,33.2 89.89,33.23 C36.2 ; 86.05,30.19 86.05,29.59 86.37,29.27 86.37,28.65 v1(86.5,28.52) 86.83,28.85 86.83,29.25 87.05,29.47 C25.2 ; C29.2 42.89,25.55 41.75,25.55 41.62,25.68 v1(41.51,25.68)
  Bottom w0.4: 73.9,29.92 73.03,29.92 R8.1 ; 73.9,29.92 73.9,30.68 v1(73.62,30.96) ; 73.9,29.92 C31.2 ; v1(61.6,26.48) 60.99,27.09 C18.2 ; C39.2 69.69,28.93 ; C39.2 68.57,27.89 68.54,27.86 ; C39.2 68.57,30.19 ; 69.69,28.93 69.69,31.4 69.78,31.49 ; 69.69,28.93 69.69,27.82 69.52,27.65 68.26,27.65 68.17,27.74 ; 42.91,24.43 42.91,23.21 C26.2 ; 42.91,24.43 C29.2 ; 42.91,24.43 43.65,24.43 v1(43.67,24.41) ; 68.52,31.49 68.57,31.45 68.57,30.19 ; 25.45,26.44 25.45,24.78 24.84,24.17 24.84,23.35 ; C25.2 86.96,30.19 R9.1 ; 68.57,30.19 69.64,30.19 ; v1(59.34,44.97) 59.29,44.92 59.29,44.5 58.8,44.01 58.07,44.01 57.82,44.26 C3.2 57.74,45.48 C2.2 ; C2.2 54.42,45.48 ; C2.2 55.52,44.13 55.54,44.11 ; 54.42,45.48 54.42,45.3 54.29,45.16 v1(54.29,45.03) ; 54.42,45.48 54.28,45.63 ; 83.69,31.83 83.69,31.48 83.11,30.9 83.11,30.12 81.69,28.7 C30.2 80.46,28.7 80.2,28.44 v1(80.2,27.88) ; 13.53,23.42 13.57,23.38 15.43,23.38 15.43,24.04 15.97,24.58 C16.2
  Bottom w0.5: v1(18.28,16.77) 18.23,16.72 IC3.50 ; 68.27,42.44 IC8.40 ; 68.27,42.44 68.45,42.61 69.26,42.61 70.41,43.76 72.56,43.76 73.3,43.02 75.38,43.02 76.26,43.9 77.05,43.9 77.54,43.41 77.54,42.93 78.07,42.4 78.73,42.4 79.25,41.88 v1(80.84,41.88) 80.98,41.75 80.98,39.31 ; 68.27,42.44 67.11,42.44 66.34,41.67 65.16,41.67 ; 65.16,41.67 64.7,41.21 v1(63.72,41.21) 63.56,41.37 C38.2 ; 65.16,41.67 64.67,42.17 C38.2 ; v1(44.64,52.68) 41.01,52.68 ; C38.2 62.63,42.17 62.46,42.33 62.46,43.09 61.73,43.82 61.73,46.19 61.42,46.5 60.57,46.5 58.78,48.29 58.15,48.29 ; IC3.32 32.63,16.92 ; 33.43,16.8 IC3.31 ; v1(17.18,14.23) 17.53,14.58 17.53,18.63 17.72,18.82 ; v1(8.1,13.66) 7.85,13.41 7.85,13 7.1,12.25
  Bottom w0.8: C27.2 86.92,64.34 87.05,64.47 ; C27.2 88.37,62.47 88.49,62.59 ; C27.2 86.92,60.47 87.05,60.33 ; 87.97,56.68 87.98,56.67 C45.2 89.26,55.08 89.43,55.25
  Bottom w1: C37.2 60.05,62.93 60.07,62.95 ; C37.2 58.73,61.17 58.75,61.14 ; C37.2 58.73,64.75 58.79,64.81 ; C17.2 63.41,62.67 63.37,62.63 ; C17.2 65.2,64.7 64.87,65.03 ; C17.2 65.2,60.81 65.01,60.61 ; C46.2 47.63,60.78 47.55,60.7 ; C46.2 49.24,62.56 49.25,62.55 ; C46.2 47.63,64.48 47.6,64.5 ; 22.26,61 22.23,60.97 C12.2 ; 24.63,63.98 24.86,63.75 CE2.2 22.81,61.63 22.7,61.52
  vias: v1(2.16,34.58) v1(2.16,32.8) v1(2.32,58.17) v1(2.36,55.62) v1(2.36,50.61) v1(2.35,48.09) v1(2.32,45.54) v1(2.4,53.15) v1(2.67,19.86) v1(2.66,17.57) v1(3.36,61.97) v1(3.36,60.72) v1(3.41,34.57) v1(3.67,19.87) v1(3.66,17.56) v1(11.22,64.83) v1(13.81,64.83) v1(16.35,7.25) v1(16.59,64.84) v1(19.57,64.86) v1(22.91,64.84) v1(31.02,64.84) v1(32.85,64.85) v1(34.61,64.86) v1(37.13,62.05) v1(37.15,60.78) v1(39.42,64.85) v1(41.45,64.88) v1(42.99,64.87) v1(49.59,63.35) v1(49.58,62.33) v1(49.86,64.86) v1(52.67,64.69) v1(55.9,64.67) v1(60.02,63.35) v1(60.02,62.12) v1(63.05,63.16) v1(71.47,62.92) v1(72.5,62.94) v1(72.49,61.65) v1(75.74,62.67) v1(75.77,61.65) v1(88.04,7.47) v1(88.24,63.29) v1(89.04,7.52) v1(89.49,63.26) v1(92.24,63.5) v1(92.24,61.94) v1(94.77,63.49) v1(94.81,61.97) v2(3.42,65.92) v2(94.96,66.02)
